# KiCad board dalishen_pi_h7p20.kicad_pcb (continued)
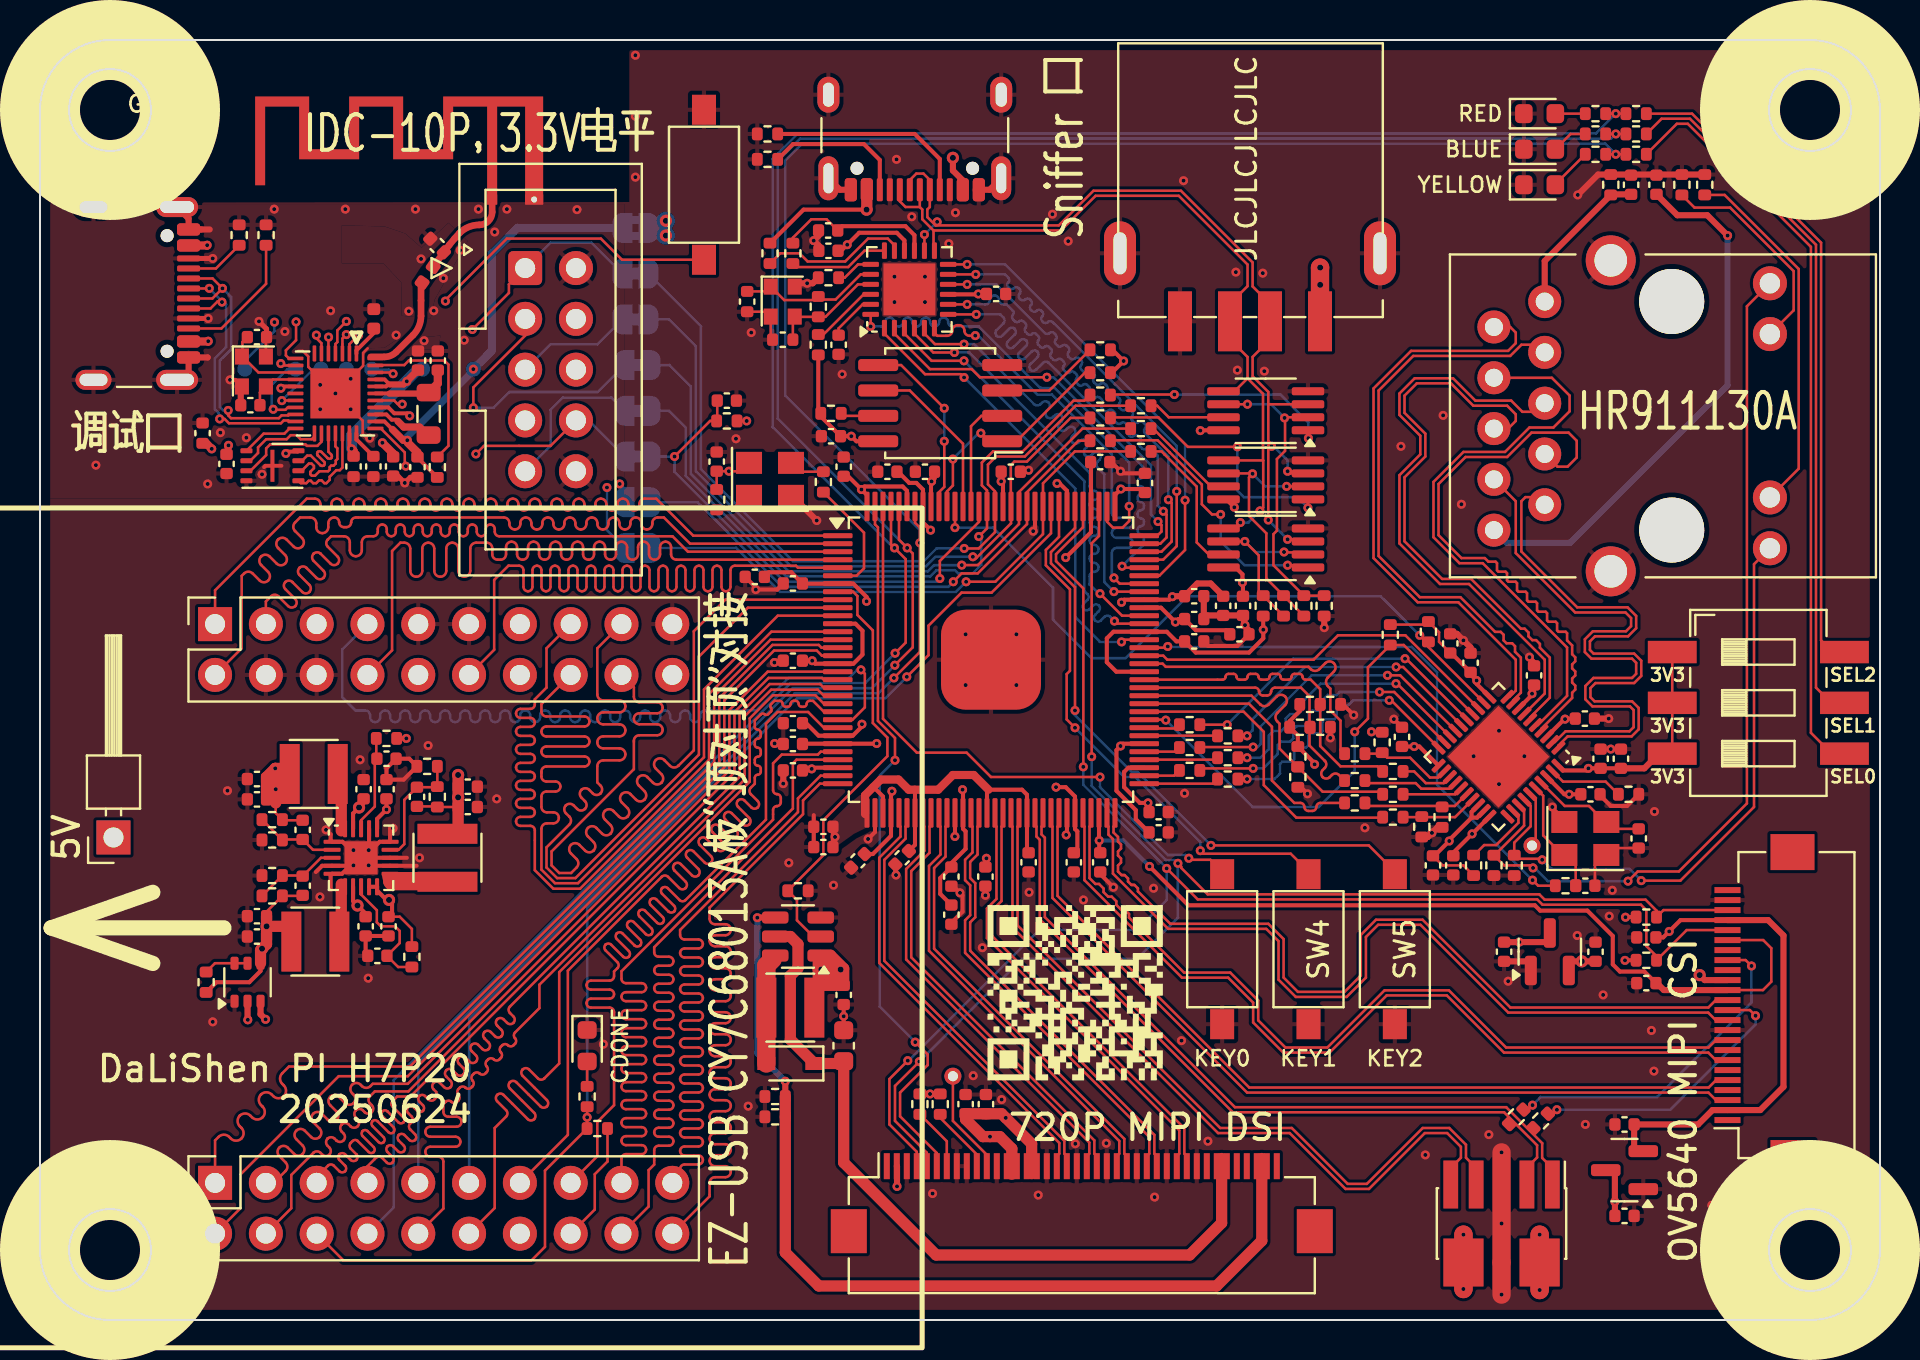
[diagram p0: board, top side]
## Footprints (pads in the part's own frame, mm; a bottom-side part is the same pattern mirrored in y, then rotated) (continued)
  rect 1.7x1.7 hole 1: 1(0,0)
  oval 1.7x1.7 hole 1: 2(-2.54,0) 3(0,-2.54) 4(-2.54,-2.54) 5(0,-5.08) 6(-2.54,-5.08) 7(0,-7.62) 8(-2.54,-7.62) 9(0,-10.16) 10(-2.54,-10.16) 11(0,-12.7) 12(-2.54,-12.7) 13(0,-15.24) 14(-2.54,-15.24) 15(0,-17.78) 16(-2.54,-17.78) 17(0,-20.32) 18(-2.54,-20.32) 19(0,-22.86) 20(-2.54,-22.86)
QFN-20-1EP_3x3mm_P0.4mm_EP1.65x1.65mm
  rrect 0.4x0.4 smd: (-0.41,0.41) (-0.41,-0.41) (0.41,0.41) (0.41,-0.41)
  rrect 0.85x0.2 smd: 1(-1.45,0.8) 2(-1.45,0.4) 3(-1.45,0) 4(-1.45,-0.4) 5(-1.45,-0.8) 11(1.45,-0.8) 12(1.45,-0.4) 13(1.45,0) 14(1.45,0.4) 15(1.45,0.8)
  rrect 0.2x0.85 smd: 6(-0.8,-1.45) 7(-0.4,-1.45) 8(0,-1.45) 9(0.4,-1.45) 10(0.8,-1.45) 16(0.8,1.45) 17(0.4,1.45) 18(0,1.45) 19(-0.4,1.45) 20(-0.8,1.45)
  rect 1.65x1.65 smd: 21(0,0)
QFN-24-1EP_4x4mm_P0.5mm_EP2.6x2.6mm
  rrect 0.7x0.7 smd: (-0.65,0.65) (-0.65,-0.65) (0.65,0.65) (0.65,-0.65)
  rrect 0.825x0.25 smd: 1(-1.938,1.25) 2(-1.938,0.75) 3(-1.938,0.25) 4(-1.938,-0.25) 5(-1.938,-0.75) 6(-1.938,-1.25) 13(1.938,-1.25) 14(1.938,-0.75) 15(1.938,-0.25) 16(1.938,0.25) 17(1.938,0.75) 18(1.938,1.25)
  rrect 0.25x0.825 smd: 7(-1.25,-1.938) 8(-0.75,-1.938) 9(-0.25,-1.938) 10(0.25,-1.938) 11(0.75,-1.938) 12(1.25,-1.938) 19(1.25,1.938) 20(0.75,1.938) 21(0.25,1.938) 22(-0.25,1.938) 23(-0.75,1.938) 24(-1.25,1.938)
  rect 2.6x2.6 smd: 25(0,0)
QFN-36-1EP_4x4mm_P0.35mm_EP2.5x2.5mm
  rrect 0.55x0.55 smd: (-0.5,0.5) (-0.5,-0.5) (0.5,0.5) (0.5,-0.5)
  rrect 0.8x0.18 smd: 1(-2,1.05) 2(-2,0.7) 3(-2,0.35) 4(-2,0) 5(-2,-0.35) 6(-2,-0.7) 7(-2,-1.05) 19(2,-1.05) 20(2,-0.7) 21(2,-0.35) 22(2,0) 23(2,0.35) 24(2,0.7) 25(2,1.05)
  rrect 0.18x0.8 smd: 8(-1.75,-2) 9(-1.4,-2) 10(-1.05,-2) 11(-0.7,-2) 12(-0.35,-2) 13(0,-2) 14(0.35,-2) 15(0.7,-2) 16(1.05,-2) 17(1.4,-2) 18(1.75,-2) 26(1.75,2) 27(1.4,2) 28(1.05,2) 29(0.7,2) 30(0.35,2) 31(0,2) 32(-0.35,2) 33(-0.7,2) 34(-1.05,2) 35(-1.4,2) 36(-1.75,2)
  rect 2.5x2.5 smd: 37(0,0)
QFN-40-1EP_5x5mm_P0.4mm_EP3.6x3.6mm
  rrect 0.97x0.97 smd: (-1,1) (-1,-1) (1,1) (1,-1)
  rrect 0.825x0.25 smd: 1(-2.438,1.8) 2(-2.438,1.4) 3(-2.438,1) 4(-2.438,0.6) 5(-2.438,0.2) 6(-2.438,-0.2) 7(-2.438,-0.6) 8(-2.438,-1) 9(-2.438,-1.4) 10(-2.438,-1.8) 21(2.438,-1.8) 22(2.438,-1.4) 23(2.438,-1) 24(2.438,-0.6) 25(2.438,-0.2) 26(2.438,0.2) 27(2.438,0.6) 28(2.438,1) 29(2.438,1.4) 30(2.438,1.8)
  rrect 0.25x0.825 smd: 11(-1.8,-2.438) 12(-1.4,-2.438) 13(-1,-2.438) 14(-0.6,-2.438) 15(-0.2,-2.438) 16(0.2,-2.438) 17(0.6,-2.438) 18(1,-2.438) 19(1.4,-2.438) 20(1.8,-2.438) 31(1.8,2.438) 32(1.4,2.438) 33(1,2.438) 34(0.6,2.438) 35(0.2,2.438) 36(-0.2,2.438) 37(-0.6,2.438) 38(-1,2.438) 39(-1.4,2.438) 40(-1.8,2.438)
  rect 3.6x3.6 smd: 41(0,0)
R_0402_1005Metric
  rrect 0.54x0.64 smd: 1(-0.51,0) 2(0.51,0)
RJ45_HR911130A
  round 3.25 hole 3.25 unplated: (-5.715,-0.03) (5.715,-0.03)
  round 1.7 hole 1.02: 11(6.625,4.88) 12(4.085,4.88) 13(-4.085,4.88) 14(-6.625,4.88)
  round 1.65 hole 0.9: P1(5.72,-8.92) P2(4.45,-6.38) P3(3.18,-8.92) P4(1.91,-6.38) P5(0.64,-8.92) P6(-0.63,-6.38) P7(-1.9,-8.92) P8(-3.17,-6.38) P9(-4.44,-8.92) P10(-5.71,-6.38)
  round 2.5 hole 1.63: SH(-7.77,-3.08) SH(7.78,-3.08)
SOIC-8_P1.27mm_Common
  rrect 2x0.6 smd: 1(-3.1,1.905) 2(-3.1,0.635) 3(-3.1,-0.635) 4(-3.1,-1.905) 5(3.1,-1.905) 6(3.1,-0.635) 7(3.1,0.635) 8(3.1,1.905)
SolderJumper-2_P1.3mm_Bridged2Bar_RoundedPad1.0x1.5mm
  custom 1x1.5 smd: 1(-0.65,0) 2(0.65,0)
SolderJumper-2_P1.3mm_Bridged_RoundedPad1.0x1.5mm
  custom 1x1.5 smd: 1(-0.65,0) 2(0.65,0)
SolderJumper-2_P1.3mm_Open_RoundedPad1.0x1.5mm
  custom 1x1.5 smd: 1(-0.65,0) 2(0.65,0)
SOT-23
  rrect 1.475x0.6 smd: 1(-0.938,0.95) 2(-0.938,-0.95) 3(0.938,0)
SOT-23-6
  rrect 1.325x0.6 smd: 1(-1.137,0.95) 2(-1.137,0) 3(-1.137,-0.95) 4(1.137,-0.95) 5(1.137,0) 6(1.137,0.95)
SOT-363_SC-70-6
  rrect 0.65x0.4 smd: 1(-0.95,0.65) 2(-0.95,0) 3(-0.95,-0.65) 4(0.95,-0.65) 5(0.95,0) 6(0.95,0.65)
SW-3x6mm_Hxx_SMD
  rect 1.5x1.2 smd: 1(3.75,0) 2(-3.75,0)
SW_DIP_SPSTx03_Slide_6.7x9.18mm_W8.61mm_P2.54mm_LowProfile
  rect 2.44x1.12 smd: 1(-4.305,2.54) 2(-4.305,0) 3(-4.305,-2.54) 4(4.305,-2.54) 5(4.305,0) 6(4.305,2.54)
TestPoint_Pad_D0.75mm
  round 0.75 smd: 1(0,0)
Texas_SWRA117D_2.4GHz_Left
  rect 0.5x0.5 smd: 1(0,0)
  rect 0.9x0.5 hole 0.3: 2(2.1,0)
USB-AF_YIJIAN
  rect 1.2x3 smd: 1(-3.5,0.2) 2(-1,0.2) 3(1,0.2) 4(3.5,0.2)
  oval 1.6x3.2 hole 0.65x2.1: 5(-6.5,-3.2) 5(6.5,-3.2)
USB_C_Receptacle_16P
  round 0.65 hole 0.65 unplated: (-2.89,2.605) (2.89,2.605)
  rrect 0.6x1.15 smd: A1(-3.2,3.68) A4(-2.4,3.68) A9(2.4,3.68) A12(3.2,3.68) B1(3.2,3.68) B4(2.4,3.68) B9(-2.4,3.68) B12(-3.2,3.68)
  rrect 0.3x1.15 smd: A5(-1.25,3.68) A6(-0.25,3.68) A7(0.25,3.68) A8(1.25,3.68) B5(1.75,3.68) B6(0.75,3.68) B7(-0.75,3.68) B8(-1.75,3.68)
  oval 1x2.2 hole 0.5x1.5: S1(-4.32,3.105) S1(4.32,3.105)
  oval 1.1x1.8 hole 0.55x1.2: S1(-4.32,-1.075) S1(4.32,-1.075)
USB_C_Receptacle_GCT_USB4105-xx-A_16P_TopMnt_Horizontal
  round 0.65 hole 0.65 unplated: (-2.89,2.605) (2.89,2.605)
  rrect 0.6x1.15 smd: A1(-3.2,3.68) A4(-2.4,3.68) A9(2.4,3.68) A12(3.2,3.68) B1(3.2,3.68) B4(2.4,3.68) B9(-2.4,3.68) B12(-3.2,3.68)
  rrect 0.3x1.15 smd: A5(-1.25,3.68) A6(-0.25,3.68) A7(0.25,3.68) A8(1.25,3.68) B5(1.75,3.68) B6(0.75,3.68) B7(-0.75,3.68) B8(-1.75,3.68)
  oval 1x2.1 hole 0.6x1.7: S1(-4.32,3.105) S1(4.32,3.105)
  oval 1x1.8 hole 0.6x1.4: S1(-4.32,-1.075) S1(4.32,-1.075)
USON-8-1EP_3x2mm_P0.5mm_EP1.6x02mm
  rrect 0.6x0.25 smd: 1(-1.3,0.75) 2(-1.3,0.25) 3(-1.3,-0.25) 4(-1.3,-0.75) 5(1.3,-0.75) 6(1.3,-0.25) 7(1.3,0.25) 8(1.3,0.75)
  rect 0.2x1.6 smd: 9(0,0)

## Nets
/AVDD_2V8: C72.2 C74.2 J7.2 J7.21 R68.2 R69.2 U5.2
/DVDD_1V5: C76.2 J7.15 U8.2
/VCC_3V3: C2.2 C13.2 C15.2 C16.2 C35.2 C36.2 C37.2 C42.2 C43.2 C55.2 C57.2 C58.2 C59.2 C60.2 C61.2 C62.2 C63.2 C64.2 C65.2 C70.2 C71.2 C73.2 C75.2 J1.8 J1.10 J9.2 J9.13 J9.14 J9.15 J9.16 L5.1 R1.1 R7.1 R21.2 R22.2 R33.1 R40.1 R41.1 R44.1 R48.1 R49.1 R50.1 R51.1 R61.1 R80.1 R81.1 R82.1 R90.1 SW3.1 SW3.2 SW3.3 U1.11 U1.28 U1.29 U1.40 U3.12 U3.17 U3.30 U3.67 U3.79 U3.84 U3.97 U3.103 U3.111 U3.123 U3.128 U5.3 U7.8 U8.3 U9.2 U20.9 U20.16 X1.4
/VCC_5V: C1.2 C31.2 C32.2 C33.2 C34.2 C68.2 J1.2 J1.4 J6.1 JP2.1 L1.1 R35.2 R36.2 U2.8 U4.1 U6.7 U6.9 U6.10 U6.16 U6.19 U18.8 U19.8
/VCCAUX: C19.2 C20.2 C22.2 C23.2 C24.2 C28.1 C29.2 C30.2 L4.1 R5.2 R31.2 U3.27 U3.44 U3.58 U3.87 U3.120 U9.4
/VDD_CORE: C4.2 C5.2 C6.2 C7.2 C8.2 C9.2 C10.2 C11.2 C17.2 C18.2 C25.1 C26.2 C27.2 C38.2 C41.2 L3.2 R29.2 U3.7 U3.26 U3.36 U3.45 U3.59 U3.70 U3.88 U3.100 U3.121
/VDDIO_1V8: C21.2 C44.2 C45.2 C54.2 C56.2 C77.2 J7.14 J7.19 U3.33 U3.35 U3.39 U3.48 U3.53 U3.62 U9.3
/vllinkmodule/3.3V: C1005.1 C1012.1 TP1002.1 U1001.24 U1001.32 U1001.33
/vllinkmodule/5V: C1010.1 C1011.1 J1001.A4 J1001.A9 J1001.B4 J1001.B9 JP2.2 R1003.2 TP1003.1 U1001.27
GND: 2x5_2.54.1001.2 2x5_2.54.1001.10 AE1001.2 C1.1 C2.1 C4.1 C5.1 C6.1 C7.1 C8.1 C9.1 C10.1 C11.1 C12.1 C13.1 C14.1 C15.1 C16.1 C17.1 C18.1 C19.1 C20.1 C21.1 C22.1 C23.1 C24.1 C26.1 C27.1 C29.1 C30.1 C31.1 C32.1 C33.1 C34.1 C36.1 C37.1 C38.1 C39.1 C40.1 C41.1 C42.1 C43.1 C44.1 C45.1 C46.1 C47.1 C48.1 C49.1 C50.1 C51.1 C52.1 C53.1 C54.1 C55.1 C56.1 C57.1 C58.1 C59.1 C60.1 C61.1 C62.1 C63.1 C64.1 C65.1 C66.1 C67.1 C68.1 C69.1 C70.1 C71.1 C72.1 C73.1 C74.1 C75.1 C76.1 C77.1 C78.1 C79.1 C1002.2 C1003.1 C1005.2 C1006.1 C1007.1 C1008.2 C1009.2 C1010.2 C1011.2 C1012.2 C1013.2 CY_J1.4 CY_J1.6 CY_J1.9 CY_J1.11 CY_J1.19 D1.1 D2.1 D3.1 D4.1 J1.5 J1.6 J2.A1 J2.A8 J2.A12 J2.B1 J2.B8 J2.B12 J2.S1 J3.4 J3.5 J7.10 J7.23 J9.3 J9.8 J9.9 J9.12 J9.17 J9.20 J9.23 J9.26 J9.29 J9.32 J10.SH J1001.A1 J1001.A8 J1001.A12 J1001.B1 J1001.B8 J1001.B12 J1001.S1 L1001.1 R10.2 R30.1 R32.1 R34.2 R38.2 R39.2 R42.2 R43.2 R45.2 R46.2 R47.2 R52.2 R53.2 R54.2 R62.2 R63.2 R64.2 R65.2 R76.2 R77.2 R89.2 R1001.1 R1002.1 SW1.2 SW2.1 SW4.2 SW5.2 TP1001.1 U1.41 U2.4 U3.34 U3.107 U3.129 U4.3 U5.1 U6.1 U6.4 U6.5 U6.12 U6.13 U6.15 U6.17 U6.21 U7.4 U8.1 U9.1 U18.4 U19.4 U20.25 U1001.37 U1002.4 U1002.9 X1.2 Y1.2 Y1.4 Y2.2 Y2.4 Y1001.2 Y1001.4
/B1_IO_MSEL0_122: CY_J2.11 R20.2 R55.2 U3.122
/B1_IO_MSEL1_124: CY_J2.9 R18.2 R56.2 U3.124
/B1_IO_MSEL2_125: CY_J2.8 R15.2 R57.2 U3.125
/B2_IO_CDONE_105: CY_J2.6 R16.2 R19.2 U3.105
/B9_IO2N: J1.9 U3.51
/B9_IO2P: J1.7 U3.52
/B9_IO4N: J1.3 R9.2 U3.54
/B9_IO4P: J1.1 R11.2 U3.55
/B9_IO6N: J7.3 U3.56
/B9_IO6P: J7.5 U3.57
/B9_IO9N: J7.7 U3.60
/B9_IO9P: J7.9 U3.61
/B9_IO12N: J7.11 U3.63
/B9_IO12P: J7.13 U3.64
/B10_IO2N: J9.18 U3.37
/B10_IO2P: J9.19 U3.38
/B10_IO4N: J9.21 U3.40
/B10_IO4P: J9.22 U3.41
/B10_IO6N: J9.24 U3.42
/B10_IO6P: J9.25 U3.43
/B10_IO9N: J9.27 U3.46
/B10_IO9P: J9.28 U3.47
/B10_IO12N: J9.30 U3.49
/B10_IO12P: J9.31 U3.50
/CRST_N: C46.2 JP9.1 R61.2 U3.114
/CY_FD_0: CY_J1.15 U3.13
/CY_FD_1: CY_J1.16 U3.11
/CY_FD_2: CY_J1.17 U3.10
/CY_FD_3: CY_J1.18 U3.9
/CY_FD_4: CY_J2.20 U3.32
/CY_FD_5: CY_J2.19 U3.31
/CY_FD_6: CY_J2.18 U3.29
/CY_FD_7: CY_J2.17 U3.28
/CY_FD_8: CY_J2.5 U3.19
/CY_FD_9: CY_J2.4 U3.18
/CY_FD_10: CY_J2.3 U3.16
/CY_FD_11: CY_J2.2 U3.15
/CY_FD_12: CY_J2.1 U3.14
/CY_FD_13: CY_J1.1 U3.1
/CY_FD_14: CY_J1.2 U3.2
/CY_FD_15: CY_J1.3 U3.3
/CY_FLAGA: CY_J2.16 R16.1
/CY_FLAGB: CY_J2.15 U3.25
/CY_FLAGC: CY_J2.14
/CY_IFCLK: CY_J1.12 U3.5
/CY_PA0: CY_J2.13 U3.23
/CY_PA1: CY_J2.12 U3.22
/CY_PA3: CY_J2.10 U3.21
/CY_PKTEND: CY_J2.7 U3.20
/CY_SLRD: CY_J1.7 U3.24
/CY_SLWR: CY_J1.8 U3.4
/ET3036C_CJ3439KDW/EA3036_EN2: C40.2 R35.1 U6.8
/ET3036C_CJ3439KDW/EA3036_EN3: C39.2 R36.1 U6.18
/FPGA_ETHA_25M: R6.1 U3.82
/FPGA_ETHA_MDC: U1.13 U3.81
/FPGA_ETHA_MDIO: R44.2 U1.14 U3.73
/FPGA_ETHA_RST_B: R41.2 U1.12 U3.117
/FPGA_ETHA_RXCK: R70.1 U3.74
/FPGA_ETHA_RXCTL: R71.1 U3.75
/FPGA_ETHA_RXD0: R49.2 R52.1 R72.1 U3.76
/FPGA_ETHA_RXD1: R50.2 R53.1 R73.1 U3.77
/FPGA_ETHA_RXD2: R51.2 R54.1 R74.1 U3.78
/FPGA_ETHA_RXD3: R75.1 U3.80
/FPGA_ETHA_TXCK: R83.1 U3.65
/FPGA_ETHA_TXCTL: R84.1 U3.66
/FPGA_ETHA_TXD0: R85.1 U3.68
/FPGA_ETHA_TXD1: R86.1 U3.69
/FPGA_ETHA_TXD2: R87.1 U3.71
/FPGA_ETHA_TXD3: R91.1 U3.72
/FPGA_FLASH_CLK: U3.116 U7.6
/FPGA_FLASH_CS: R80.2 U3.118 U7.1
/FPGA_FLASH_MISO: U3.115 U7.2
/FPGA_FLASH_MOSI: U3.119 U7.5
/FPGA_RX: JP1.1 R24.2 U3.108
/FPGA_TCK: JP5.1 R27.2 U3.112
/FPGA_TDI: JP3.1 R28.2 U3.113
/FPGA_TDO: JP6.1 R25.2 U3.109
/FPGA_TMS: JP4.1 R26.2 U3.110
/FPGA_TX: JP10.1 R23.2 U3.106
/KEY0: SW1.1 U3.126
/KEY1: SW4.1 U3.104
/KEY2: SW5.1 U3.102
/LED_PWM: R63.1 U3.8 U4.2
/LEDA: C69.2 D8.1 J9.34 J9.35 U4.5
/LEDK: J9.38 J9.39 R64.1 R65.1 U4.4
/OV/TP_SCL: J7.20 J9.4 R68.1 U3.101
/OV/TP_SDA: J7.22 J9.5 R69.1 U3.99
/OV_MCLK: J7.12 R11.1
/OV_PWDN: J7.17 R9.1
/TP_INT: J9.6 U3.127
/USB20_DM_CMP1: R28.1 U2.1
/USB20_DM_CMP2: R26.1 U18.1
/USB20_DM_CMP3: R24.1 U19.1
/USB20_DP_CMP1: R27.1 U2.7
/USB20_DP_CMP2: R25.1 U18.7
/USB20_DP_CMP3: R23.1 U19.7
/USB334x/CMP_REF_1: R3.2 R10.1 U2.2 U2.6
/USB334x/CMP_REF_2: R2.2 R3.1 U18.2 U18.6
/USB334x/CMP_REF_3: R1.2 R2.1 U19.2 U19.6
/USB334x/T_VBUS: J2.A4 J2.A9 J2.B4 J2.B9 J3.1 R79.1
/USB334x/USB20_D_N: J2.A7 J2.B7 J3.2 U2.3 U18.3 U19.3 U20.14
/USB334x/USB20_D_P: J2.A6 J2.B6 J3.3 U2.5 U18.5 U19.5 U20.13
/USB334x_CLK: U3.92 U20.2
/USB334x_D0: U3.86 U20.4
/USB334x_D1: U3.89 U20.5
/USB334x_D2: U3.90 U20.6
/USB334x_D3: U3.96 U20.7
/USB334x_D4: U3.95 U20.8
/USB334x_D5: U3.94 U20.10
/USB334x_D6: U3.93 U20.11
/USB334x_D7: U3.91 U20.12
/USB334x_DIR: U3.83 U20.1
/USB334x_NXT: U3.85 U20.3
/USB334x_STP: U3.98 U20.24
/vllinkmodule/FLS_CLK: U1001.22 U1002.6
/vllinkmodule/FLS_CS: U1001.18 U1002.1
/vllinkmodule/FLS_IO0: U1001.23 U1002.5
/vllinkmodule/FLS_IO1: U1001.19 U1002.2
/vllinkmodule/FLS_IO2: U1001.20 U1002.3
/vllinkmodule/FLS_IO3: U1001.21 U1002.7
/vllinkmodule/GPIOA0: 2x5_2.54.1001.1 JP5.2 U1001.3
/vllinkmodule/GPIOA1: 2x5_2.54.1001.5 JP4.2 U1001.4
/vllinkmodule/GPIOA2: 2x5_2.54.1001.3 JP6.2 U1001.5
/vllinkmodule/GPIOA3: 2x5_2.54.1001.9 JP3.2 U1001.6
/vllinkmodule/GPIOA4: U1001.7
/vllinkmodule/GPIOA5: SW2.2 U1001.8
/vllinkmodule/GPIOA6: JP10.2 U1001.9
/vllinkmodule/GPIOA7: JP1.2 U1001.2
/vllinkmodule/GPIOA8: TP1004.1 U1001.30
/vllinkmodule/GPIOA9: TP1005.1 U1001.34
/vllinkmodule/GPIOB0: TP1006.1 U1001.14
/vllinkmodule/GPIOB1: TP1007.1 U1001.15
/vllinkmodule/GPIOB2: 2x5_2.54.1001.8 JP9.2 U1001.26
/vllinkmodule/GPIOB3: U1001.13
/vllinkmodule/POWER_KEY: R1003.1 U1001.35
/vllinkmodule/USB_D+: J1001.A6 J1001.B6 U1001.17
/vllinkmodule/USB_D-: J1001.A7 J1001.B7 U1001.16
/vllinkmodule/V_FLS: C1008.1 U1001.29 U1002.8
/YT8531C/ETHA_1V1: C47.2 C48.2 C51.2 C52.2 C53.2 U1.3 U1.8 U1.21 U1.30 U1.38
/YT8531C/ETHA_LED1: J10.14 R42.1 U1.33
/YT8531C/ETHA_LED2: J10.11 R43.1 U1.34
/YT8531C/ETHA_TD0N: J10.P3 U1.2
/YT8531C/ETHA_TD0P: J10.P2 U1.1
/YT8531C/ETHA_TD1N: J10.P7 U1.5
/YT8531C/ETHA_TD1P: J10.P4 U1.4
/YT8531C/ETHA_TD2N: J10.P6 U1.7
/YT8531C/ETHA_TD2P: J10.P5 U1.6
/YT8531C/ETHA_TD3N: J10.P9 U1.10
/YT8531C/ETHA_TD3P: J10.P8 U1.9
/YT8531C/FPGA_ETHA_CLKOUT: TP2.1 U1.35
Net-(AE1001-A): AE1001.1 C1002.1 L1003.1
Net-(D1-A): D1.2 R15.1
Net-(D2-A): D2.2 R18.1
Net-(D3-A): D3.2 R19.1
Net-(D4-A): D4.2 R20.1
Net-(D8-A): D8.2 L1.2 U4.6
Net-(J2-CC1): J2.A5 R77.1
Net-(J2-CC2): J2.B5 R76.1
Net-(J9-Pin_7): J9.7 R22.1
Net-(J9-Pin_10): J9.10 R21.1
Net-(J9-Pin_11): J9.11 TP1.1
Net-(J10-CT): C66.2 J10.P1
Net-(J10-GND): C67.2 J10.P10 R62.1
Net-(J10-Pad12): J10.12 R39.1
Net-(J10-Pad13): J10.13 R38.1
Net-(J1001-CC1): J1001.A5 R1001.2
Net-(J1001-CC2): J1001.B5 R1002.2
Net-(R55-Pad1): R55.1 SW3.4
Net-(R56-Pad1): R56.1 SW3.5
Net-(R57-Pad1): R57.1 SW3.6
Net-(U1-LED0/CFG_EXT): R40.2 U1.32
Net-(U1-RBIAS): R45.1 U1.39
Net-(U1-RX_CLK/PHYAD1): R46.1 R70.2 U1.27
Net-(U1-RX_CTL/PHYAD2): R47.1 R71.2 U1.26
Net-(U1-RXD0/RXDLY): R72.2 U1.25
Net-(U1-RXD1/TXDLY): R73.2 U1.24
Net-(U1-RXD2/PLLIFF): R74.2 U1.23
Net-(U1-RXD3/PHYAD0): R48.2 R75.2 U1.22
Net-(U1-TX_CLK): R83.2 U1.20
Net-(U1-TX_CTL): R84.2 U1.19
Net-(U1-TXD0): R85.2 U1.18
Net-(U1-TXD1): R86.2 U1.17
Net-(U1-TXD2): R87.2 U1.16
Net-(U1-TXD3): R91.2 U1.15
Net-(U1-XTAL_I): C78.2 R6.2 U1.36 Y2.1
Net-(U1-XTAL_O): C79.2 U1.37 Y2.3
Net-(U3-IO13_PCLK_8): R8.1 U3.6
Net-(U6-FB1): C25.2 R29.1 R30.2 U6.14
Net-(U6-FB2): C28.2 R31.1 R32.2 U6.3
Net-(U6-FB3): C35.1 R33.2 R34.1 U6.2
Net-(U6-LX1): L3.1 U6.11
Net-(U6-LX2): L4.2 U6.6
Net-(U6-LX3): L5.2 U6.20
Net-(U7-IO2): R81.2 U7.3
Net-(U7-IO3): R82.2 U7.7
Net-(U9-D1): R5.1 U9.5 U9.6
Net-(U20-ID): R4.2 U20.18
Net-(U20-RBIAS): R89.1 U20.19
Net-(U20-REFCLK/XI): C14.2 R78.2 U20.21 Y1.3
Net-(U20-VBUS): R79.2 U20.17
Net-(U20-VDD18): C49.2 U20.23
Net-(U20-VDD33): C50.2 R4.1 U20.15
Net-(U20-XO): C12.2 R78.1 U20.20 Y1.1
Net-(U20-~{RESETB}): R90.2 U20.22
Net-(U1001-AVDD18): C1007.2 U1001.12
Net-(U1001-RF_ANT): L1003.2 U1001.36
Net-(U1001-RF_IND): L1001.2 U1001.1
Net-(U1001-SW): L1004.1 U1001.28
Net-(U1001-V_CORE): C1013.1 U1001.25
Net-(U1001-V_RF): C1009.1 L1004.2 U1001.31
Net-(U1001-XTAL1): C1003.2 U1001.10 Y1001.1
Net-(U1001-XTAL2): C1006.2 U1001.11 Y1001.3
Net-(X1-EN): R7.2 X1.1
Net-(X1-OUT): R8.2 X1.3

Pads without a net: 2x5_2.54.1001 4 6 7; CY_J1 5 10 13 14 20; J7 1 4 6 8 16 18 24 MP; J9 1 33 36 37 40 MP; U1 31

## Via types
v1: diameter 0.452, hole 0.203, Top to Bottom, 355 vias
v2: diameter 0.61, hole 0.305, Top to Bottom, 17 vias

## Routing (per net, layer and track width the routed paths; a pad name or vN(x,y) marks a point on that pad's centre or on a via; arc(x,y) is an arc through that point)
/AVDD_2V8: length 30
  Top w0.203: R68.2 79.26,17.99 v1(79.25,17.98) ; v1(79.27,20.14) 79.28,20.15 R69.2 ; C74.2 81.16,19.13 v1(81.46,19.43) 82.03,20 J7.21
  Top w0.305: U5.2 79.72,8.44 79.71,8.46 C72.2 82.91,9.78 83.63,10.5 J7.2 86.01,10.5 87.17,11.66 87.17,19.23 86.4,20 J7.21
  In2.Cu w0.406: 79.99,19.43 v1(79.27,20.14) ; 79.99,19.43 v1(81.46,19.43) ; 79.99,19.43 79.25,18.69 v1(79.25,17.98)
/DVDD_1V5: length 9.4
  Top w0.305: U8.2 76.44,17.84 76.53,17.93 77.78,17.93 ; v2(82.98,17.25) 83.23,17 J7.15
  In2.Cu w0.406: v2(77.09,17.93) 77.78,17.25 v2(82.98,17.25)
/VCC_3V3: length 122.5
  Top w0.127: X1.4 35.03,42.44 v1(34.44,42.44) 34.44,42.45 C2.2 R7.1 ; C62.2 v1(48.06,41.94) ; R44.1 69.27,34.77 R41.1 69.95,34.39 69.95,33.91 C58.2 ; C35.2 12.15,24.99 R33.1 11.79,25.35 11.79,25.86 11.61,26.03 C36.2 ; SW3.3 SW3.2 SW3.1 ; R61.1 v1(35.33,44.96) ; 69.65,23.21 70.13,22.73 71.17,22.73 R40.1
  Top w0.203: U3.103 51.35,41.46 50.98,41.83 v1(50.85,41.83) ; C63.2 40.41,42.19 v1(41.07,41.53) ; R81.1 53.62,48.51 v1(54.18,47.96) 53.6,47.37 R80.1 ; C13.2 40.06,53.47 v1(40.36,53.77) 40.96,54.37 42.84,54.37 43.22,53.99 U20.16 ; C61.2 55.07,41.55 v1(54.04,41.55) 53.75,41.26 U3.97 ; v1(41.07,41.53) 41.23,41.68 43.13,41.68 43.35,41.46 U3.123 ; v1(41.07,41.53) 41.35,41.25 U3.128 ; U1.28 71.58,25.41 71.58,25.12 ; 69.67,23.21 69.65,23.21 69.72,23.21 v1(70.46,23.95) 70.46,24 71.58,25.12 ; v1(48.06,41.94) 48.13,41.94 48.15,41.92 U3.111 ; R51.1 62.99,30.45 62.48,29.94 R50.1 62.89,29.23 R49.1 63.73,27.84 v1(63.73,27.79) ; U1.40 76.16,27.48 77.32,27.48 v1(77.42,27.58) 77.42,27.59 C60.2 C57.2 ; U1.29 71.86,25.12 71.58,25.12 ; R48.1 66.6,29.39 v1(66.57,29.41) ; 70.51,33.3 70.61,33.3 C59.2 71.53,32.28 v1(71.83,31.98) 71.83,31.81 U1.11 ; C65.2 v1(38.61,32.97) 38.76,32.82 U3.17 40.67,32.82 41.12,33.27 41.12,34.47 40.77,34.82 U3.12 ; U7.8 40.82,43.94 v1(40.56,44.2) C16.2 39.04,45.19 R82.1 38.91,45.46 R90.1 ; U3.67 54.42,27.62 54.2,27.41 54.2,26.65 54.99,25.86 v1(55.4,25.86) 55.45,25.8 C64.2 ; R1.1 61.16,34.52 v1(61.16,34.52) 61.16,34.09 60.45,33.38 57.79,33.38 C42.2 56.82,33.93 56.34,34.42 55.22,34.42 U3.84 53.67,34.42 53.34,34.09 53.34,32.89 53.81,32.42 U3.79 ; U20.9 46.89,51.29 v1(46.91,51.31) C15.2 ; U3.30 38.64,27.62 v1(38.58,27.56) 38.51,27.48 C43.2
  Top w0.305: R21.2 44.5,11.3 v1(44.5,11.3) 44.5,11.3 R22.2 ; SW3.3 80.95,28.32 80.22,27.59 C57.2 ; U9.2 10.38,15.02 v1(10.39,15.01) ; U5.3 78.64,7.49 78.74,7.39 v1(78.74,5.92) 78.75,5.92 C73.2 ; v1(42.85,6.68) 42.85,7.68 J9.2 ; C75.2 73.96,18.89 v1(73.97,18.9) 75.44,18.9 75.49,18.95 U8.3
  Top w0.559: 11.33,26.54 v1(11.79,26.54) 12.5,26.54 12.49,26.56 L5.1 12.21,27.58 v1(11.76,27.58) ; 11.33,26.54 C36.2 ; 11.33,26.54 C37.2 11.33,27.15 v1(11.76,27.58) ; v1(11.76,27.58) 11.79,27.56 11.79,25.86 ; 48.59,7.29 48.59,8.57 47.99,9.17 v1(47.5,9.17) 47.14,9.17 46.28,10.03 C71.2 C70.2 48.08,10.31 v1(48.29,10.11) 49.58,8.81 49.58,7.32
  Top w0.914: 71.17,2.03 v1(71.17,1.55) v1(71.17,4.27) 71.17,3.71
  In2.Cu w0.406: 64.95,27.79 v1(63.73,27.79) ; 64.95,27.79 64.95,24.08 ; 64.95,27.79 v1(66.57,29.41)
  In2.Cu w0.559: v1(61.16,34.52) 61.16,35.59 ; v1(71.83,31.98) 72.57,32.72
/VCC_5V: length 235.1
  Top w0.127: R35.2 18.59,19.56 17.99,20.16 17.6,20.16
  Top w0.203: U19.8 59.78,37.63 60.12,37.29 v1(60.12,36.88) 60.15,36.86 C1.2 ; C34.2 v1(17.32,25.53) 16.85,25.06 U6.16 ; 16.28,20.16 16.28,20.32 v2(15.88,20.73) 15.65,20.95 U6.7 ; v1(59.72,40.64) 59.32,41.04 U18.8 ; 16.18,25.96 C33.2 16.18,25.86 v2(15.95,25.63) 15.65,25.33 U6.19 ; U6.9 U6.10 16.85,21.48 17.32,21.01 v2(17.45,21.01) 17.6,20.85 17.6,20.16 ; R36.2 v1(18.31,29.08) ; v1(58.01,44.48) 58.03,44.49 59.17,44.49
  Top w0.559: 38.79,16.64 38.89,16.74 C68.2 40.18,17.58 39.53,18.23 39.04,18.23 38.91,18.11 38.91,17.58 38.94,17.55 38.91,17.53 38.91,15.82 L1.1 ; 39.05,17.98 39.9,17.12 ; 38.94,17.67 39.8,16.82
  Top w0.914: 74.98,3.71 v1(74.98,4.27) v1(74.98,1.5) 74.98,2.06
  In2.Cu w0.203: 46.94,17.53 47.58,17.53 54.38,24.33 54.38,26.14 57.81,29.57 57.81,34.57 v1(60.12,36.88) 58.01,38.99 58.01,41.07 ; v1(59.72,40.64) 59.28,41.07 58.01,41.07 ; 58.01,41.07 v1(58.01,44.48)
  In2.Cu w0.406: v1(17.32,25.53) 18.31,26.52 v1(18.31,29.08)
  In2.Cu w0.914: J6.1 3.67,16.19 7.47,12.4 29.9,12.4 35.03,17.53 v2(40.03,17.53) 46.94,17.53 57.68,6.78 73.18,6.78 74.98,4.98 v1(74.98,1.5) ; J6.1 3.67,34.43 8.71,39.47 29.57,39.47 30.46,40.36 30.46,53.39 v2(31.29,54.23) v2(31.29,54.97) ; J6.1 12.47,24.13 ; 12.47,24.13 13.87,25.53 v1(17.32,25.53) ; 12.47,24.13 15.72,20.88 17.32,20.88
  Bottom w0.914: v2(31.29,54.97) 30.94,54.61 JP2.1 30.91,54.61 v2(31.29,54.23)
  vias: v2(39.07,17.53)
/VCCAUX: length 110.7
  Top w0.127: C28.1 13.11,21.21 R31.2 11.33,20.42
  Top w0.203: C22.2 47.27,23.04 v1(47.32,23.09) ; v1(51.31,24.26) 51.35,24.3 U3.58 ; C23.2 38.14,28.82 U3.27 41.83,28.82 v1(41.84,28.83) ; U3.120 44.55,41.91 v1(44.58,41.94) 44.73,42.09 C20.2 ; U3.87 56.05,35.62 v1(56.77,34.9) 56.92,35.05 C19.2 57.79,34.49 59.29,34.49 C24.2 ; C30.2 11.33,19.59 11.3,19.61 ; U3.44 45.75,24.18 v1(45.75,24.18) ; R5.2 8.82,16.89 10.47,16.89 11.03,17.45 U9.4
  Top w0.559: C29.2 11.33,18.79 v2(11.1,18.57) 11.03,18.49 U9.4 ; 12.37,19.68 12.57,19.49 L4.1 ; v2(11.33,19.68) 12.55,19.68
  In2.Cu w0.406: v1(44.58,41.94) 45.7,40.82 53.21,40.82 57.33,36.7 57.33,34.37 57.25,34.29
  In2.Cu w0.559: 51.44,24.1 51.44,24.13 v1(51.31,24.26) ; 51.44,24.1 57.25,29.92 57.25,34.29 ; 51.44,24.1 50.42,23.09 v1(47.32,23.09) 46.84,23.09 v1(45.75,24.18) 45.75,25.43 43.97,27.2 43.97,27.99 43.13,28.83 v1(41.84,28.83) ; 57.25,34.29 57.25,34.87 57.23,34.9 v1(56.77,34.9) 57.25,34.42 57.25,34.29
  In2.Cu w0.914: v1(45.75,24.18) 42.75,24.18 41.73,25.2 35.33,25.2 33,22.86 25.48,22.86 21.64,19.02 11.56,19.02 v2(11.1,18.57) ; v2(11.1,18.57) 11.61,18.57 12.07,19.02 11.41,19.68 v2(11.33,19.68) 11.1,19.46 v2(11.1,18.57)
/VDD_CORE: length 76.7
  Top w0.127: C27.2 20.91,25.65 R29.2 19.83,25.68 C25.1
  Top w0.203: v1(41.1,29.79) 41.1,29.68 40.64,29.22 U3.26 38.93,29.22 38.3,29.84 C9.2 ; v1(56.62,36.17) 56.47,36.02 U3.88 54.21,36.02 v1(54.08,35.89) ; C41.2 45.01,21.31 45.01,22.1 C10.2 45.57,22.85 46.28,23.56 46.28,24.43 46.15,24.56 U3.45 46.15,26.5 v1(46.13,26.52) ; v1(44.53,39.5) 44.53,39.5 44.15,39.88 U3.121 44.15,41.53 43.82,41.86 43.46,41.86 42.9,42.42 C18.2 ; 38.24,36.95 C6.2 37.57,37.39 36.45,37.39 C4.2 ; v1(50.8,26.64) 51.28,26.64 51.75,26.18 U3.59 51.75,24.55 51.87,24.43 51.87,23.54 C8.2 ; v1(42.6,26.44) 42.55,26.39 U3.36 42.55,24.21 41.64,23.3 C5.2 ; v1(51.28,38.13) 52.55,39.39 U3.100 52.55,42.88 C11.2 ; 38.24,36.82 U3.7 40.67,36.82 41.33,36.16 v1(41.33,35.94) ; C7.2 54.79,25.05 54.79,25.5 53.82,26.46 53.82,28.5 v1(54.03,28.7) 54.15,28.82 U3.70
  Top w0.305: C38.2 59.16,36.21 58.53,36.83 57.87,36.83 C17.2 56.64,36.19 v1(56.62,36.17)
  Top w0.559: L3.2 20.81,24.31 20.91,24.41 v2(20.91,27.25)
  In2.Cu w0.559: v1(56.62,36.17) 54.69,36.17
  In2.Cu w0.914: 22.02,27.25 24.56,29.79 v1(41.1,29.79) ; 22.02,27.25 v2(20.91,26.14) v2(20.91,27.25) 22.02,27.25
/VDDIO_1V8: length 112.6
  Top w0.127: J7.19 86.16,19 86.56,18.59 86.56,16.92 86.15,16.5 J7.14
  Top w0.203: C56.2 52.96,23.42 v1(52.96,23.98) 52.95,23.99 U3.62 ; C54.2 43.75,23.76 U3.39 43.75,26.51 43.74,26.52 ; U3.35 42.15,26.18 41.68,26.64 41.66,26.64 ; C45.2 39.65,24.26 v1(39.75,24.16) 39.65,24.05 C44.2 ; C21.2 49.35,23.44 U3.53 49.35,26.27 49.1,26.52 47.42,26.52 47.35,26.44 U3.48 ; C77.2 80.22,17.42 79,17.42 78.64,17.78 78.64,19.2 77.37,20.47 75.01,20.47 74.74,20.74 57.42,20.74 v1(55.47,22.68)
  Top w0.305: C77.2 80.84,16.85 81.18,16.51 ; U9.3 11.03,15.29 v1(11.28,15.04) ; J7.14 81.19,16.5
  Top w0.406: 41.25,25.3 41.25,26.24 42.04,27.03 42.93,27.03 43.44,26.52 44.91,26.52 45.65,27.25 46.69,27.25 47.42,26.52
  In2.Cu w0.559: v1(11.28,15.04) 27.92,15.04 37.04,24.16 v1(39.75,24.16) 42.5,21.41 43.59,21.41 44.35,22.17 51.16,22.17 v1(52.96,23.98)
  Bottom w0.203: v1(52.96,23.98) 54.18,23.98 v1(55.47,22.68)
/vllinkmodule/3.3V: length 10
  Top w0.191: 15.54,43.62 15.52,43.62 15.47,43.68 U1001.24 ; U1001.33 17.23,47.03 17.48,46.78 17.4,46.78 17.3,46.68 U1001.32
  Top w0.305: v1(18.34,46.94) 18.18,46.78 17.48,46.78
  Top w0.356: v1(18.34,46.94) 18.34,46.94 C1005.1
  Top w0.406: v1(15.58,43.57) 15.68,43.47 C1012.1
  Bottom w0.305: 19.13,47.7 TP1002.1
  Bottom w0.559: v1(15.58,43.57) 15.58,44.21 18.91,47.55
/vllinkmodule/5V: length 53.4
  Top w0.191: R1003.2 18.87,43.13 C1010.1 ; U1001.27 17.22,44.93 17.62,44.54
  Top w0.356: 17.62,44.54 18.16,43.99 18.39,43.99
  Top w0.406: 8.26,43.81 8.33,43.81 v1(8.59,43.56) ; J1001.A4 8.34,53.73 v1(8.36,53.75) ; 18.87,43.15 18.87,43.38 18.39,43.87 ; J1001.A9 8.4,48.93 v1(8.41,48.95)
  In2.Cu w0.559: 6.26,51.09 4.55,49.38 4.55,46.43 7.42,43.56 v1(8.59,43.56) 9.09,43.05 11.48,43.05 12.22,42.32 16.54,42.32 18.21,43.99 18.39,43.99 ; 6.26,51.09 6.26,52.36 7.65,53.75 v1(8.36,53.75) ; 6.26,51.09 v1(8.41,48.95)
  Bottom w0.356: v1(21.67,47.55) 21.67,47.47 18.39,44.2 18.39,43.99
  Bottom w0.406: v1(21.67,47.55) 22.59,48.48 22.59,53.33 23.88,54.61 JP2.2
  vias: v1(18.37,43.99)
GND: length 107.2
  Top w0.127: v1(75.62,25.65) 76.22,25.05 76.22,24.95 ; 15.78,47.34 16.16,47.72 16.16,48.36 16.38,48.59 ; C78.1 77.75,22.73 78.32,23.3 ; C79.1 78.66,23.6 Y2.2 ; 15.6,45.5 16.13,44.97 16.13,44.31 16.34,44.1 ; Y1001.4 11.29,49.12 C1003.1 ; C14.1 36.54,49.11 Y1.2 36.29,50.42 35.36,50.42 ; 14.01,47.07 13.41,47.66 13.41,48.18 13.13,48.46 12.9,48.46
  Top w0.191: v1(9.5,47.02) 9.76,47.02 Y1001.2 ; 11.2,42.65 11.27,42.72 U1002.9 12.07,42.72
  Top w0.203: C65.1 36.81,32.97 v1(36.72,32.88) ; 13.79,22.4 14.1,22.71 U6.4 15.65,22.71 v1(15.67,22.73) ; 18.34,23.11 U6.13 16.82,23.11 v1(16.44,23.49) 16.45,23.51 U6.17 ; v1(63.37,26.31) 63.05,26.64 R52.2 ; U6.21 15.93,23.11 15.13,23.91 U6.1 14.53,23.99 14.53,24.28 v1(14.3,24.51) ; U6.21 16.18,23.11 16.98,23.91 U6.15 17.5,24.56 17.53,24.59 v1(17.65,24.59) 17.65,24.71 17.58,24.64 ; U6.21 15.9,23.11 15.1,22.31 U6.5 14.53,22.24 14.53,21.54 ; v1(53.67,21.64) 53.01,22.3 C56.1 ; C31.1 C32.1 16.28,18.32 C40.1 ; C68.1 v1(40.18,15.19) C69.1 ; C22.1 v1(47.27,21.23) ; R54.2 65.15,30.78 v1(65.69,30.25) ; v1(41.4,24.05) 41.75,24.4 U3.34 ; 53.49,42.9 53.57,42.9 v1(54.03,42.44) 54.13,42.34 C61.1 ; 18.83,22.71 U6.12 16.45,22.71 v1(16.44,22.73) ; 38.69,25.24 C44.1 ; C4.1 35.83,36.59 v1(35.79,36.53) 36.86,36.53 C6.1 ; v1(64.52,29.11) 64.52,29.11 R53.2 ; C41.1 45.57,19.86 46.13,20.42 46.13,21.23 v1(46,21.36) 45.67,21.69 C10.1 ; C48.1 78,26.24 78.54,25.7 79.35,25.7 R45.2 ; C53.1 74.7,32.92 v1(74.47,33.15) ; C54.1 42.77,22.29 v1(42.8,22.25) ; v1(49.66,39.45) 49.75,39.54 U3.107 ; 43.49,51.56 43.47,51.55 U20.25 ; C52.1 68.1,29.64 v1(67.69,30.05) ; v1(49.43,42.49) 49.35,42.42 C62.1 ; C1.1 60.15,34.85 v1(60.25,34.75) 60.45,34.55 C24.1 59.87,33.71 58.42,33.71 C42.1 ; 18.18,27.02 R30.1 18.47,28.07 C39.1 17.32,27.59 17.32,27.02 18.18,27.02
  Top w0.254: C1003.1 11.33,49.56 v1(10.95,49.94) ; C1008.2 17.9,42.2 v1(18.24,41.86) 18.52,42.14 C1010.2 ; v1(8.64,53.08) J1001.B8 ; v1(8.41,50.08) J1001.A8
  Top w0.305: C13.1 38.94,53.72 v1(38.69,53.97) 38.93,54.22 C50.1 ; C1.1 C38.1 58.37,35.23 C19.1 C17.1 ; J1001.S1 7.39,47.01 7.43,47.05 J1001.A12 8.38,48.13 8.38,48.13 ; J2.S1 40,56.52 J2.A12 ; 83.24,57.28 77.91,57.28 v1(76.89,56.26) ; v1(36.73,28.83) 36.75,28.8 C23.1 ; R46.2 69.39,24.15 v1(69.6,24.36) 69.87,24.64 R47.2 ; R89.2 38.91,52.12 38.63,51.84 v1(38.36,51.84) 37.9,51.84 37.74,51.68 Y1.4 ; R10.2 64.21,35.2 v1(64.21,34.62) ; J2.S1 47.49,56.52 J2.A1 ; X1.2 37.61,41.21 v1(38.84,39.98) ; Y1001.2 10.04,46.62 C1006.1 ; J1001.S1 7.43,55.08 J1001.A1 ; U8.1 74.54,17.84 74.45,17.93 73.2,17.93 ; C59.1 71.53,33.63 v1(71.17,33.99) 70.84,34.31 C58.1 ; v1(37.16,26.82) 37.16,26.82 C43.1 ; 8.48,54.53 J1001.A1 ; J1001.A1 8.06,54.53 ; C51.1 v1(78.44,30.07)
  Top w0.559: v1(73.08,8.38) J1.5 v1(73.08,4.83)
  Top w0.914: v1(73.08,8.38) J1.6 v1(73.08,1.27)
  vias: v1(2.8,42.75) v1(8.38,41.81) v1(8.64,14.91) v1(9.02,44.37) v1(9.17,19.63) v1(9.37,26.47) v1(10.32,44.12) v1(11.1,42.29) v1(11.71,55.55) v1(12.24,49.43) v1(14.01,46.76) v1(14.01,45.54) v1(14,21.16) v1(14.53,50.47) v1(14.77,46.33) v1(15.27,55.55) v1(15.53,47.07) v1(15.53,45.54) v1(15.67,23.49) v1(16,28.02) v1(16.49,44.09) v1(16.41,17.09) v1(17.81,49.25) v1(18.44,50.44) v1(18.77,55.55) v1(18.98,23.11) v1(19.05,53.06) v1(19.2,48.97) v1(19.41,28.73) v1(19.69,50.47) v1(20.17,52.1) v1(21.01,53.49) v1(21.21,49) v1(21.92,55.55) v1(22.73,54.41) v1(22.84,26.06) v1(23.34,55.55) v1(26.85,55.52) v1(28.17,13.79) v1(29.77,63.25) v1(29.77,60.2) v1(29.77,57.15) v1(34.8,44.07) v1(35.41,10.69) v1(35.56,49.38) v1(37.44,22.86) v1(39.68,21.74) v1(40.11,47.29) v1(42.72,52.17) v1(42.72,50.9) v1(42.83,58.04) v1(43.59,55.17) v1(44.25,52.17) v1(44.25,50.9) v1(44.63,6.32) v1(45.44,53.82) v1(45.77,55.37) v1(46.28,34.29) v1(46.28,31.75) v1(46.66,12.22) v1(47.12,18.62) v1(48.08,11.02) v1(48.82,34.29) v1(48.82,31.75) v1(49.46,21.39) v1(49.91,6.25) v1(50.62,55.3) v1(51.41,53.95) v1(51.77,8.81) v1(52.17,21.01) v1(53.32,8.84) v1(55.68,21.59) v1(55.73,6.15) v1(57.08,13.97) v1(57.18,56.97) v1(57.23,26.34) v1(58.4,8.94) v1(59.79,52.4) v1(59.87,47.5) v1(61.14,52.35) v1(61.22,47.45) v1(66.24,24.61) v1(68.05,43.69) v1(69.27,8.25) v1(70.16,45.24) v1(71.07,40.79) v1(71.68,28.19) v1(72.44,9.27) v1(72.95,29.46) v1(72.95,26.8) v1(73.41,16.94) v1(74.22,28.19) v1(76.86,19.23) v1(77.27,9.78) v1(78.16,16.26) v1(78.46,20.19) v1(78.54,28.55) v1(78.61,21.49) v1(80.57,14.48) v1(80.72,25.43) v1(80.7,12.45) v1(83.59,5.74)
/B1_IO_MSEL0_122: length 111.4
  Top w0.127: v1(42.7,32.11) 43.99,33.41 v1(43.99,38.86) 43.99,39.62 43.75,39.87 U3.122 43.75,39.97 ; R55.2 v1(78.79,58.29) R20.2
  Bottom w0.127: CY_J2.11 21.45,15.06 37.74,31.34 41.93,31.34 v1(42.7,32.11) ; v1(43.99,38.86) 43.99,39.5 37.26,46.23 37.26,57.98 38.11,58.83 78.26,58.83 v1(78.79,58.29)
/B1_IO_MSEL1_124: length 112.2
  Top w0.127: R56.2 v1(78.79,59.31) R18.2 ; v1(42.74,32.74) 43.64,33.64 43.64,38.33 v1(43.36,38.61) 42.95,39.02 U3.124
  Bottom w0.127: CY_J2.9 18.91,12.87 37.64,31.6 41.6,31.6 v1(42.74,32.74) ; v1(78.79,59.31) 78.56,59.08 38.01,59.08 36.88,57.96 36.88,45.08 v1(43.36,38.61)
/B1_IO_MSEL2_125: length 116.1
  Top w0.127: R15.2 v1(78.79,60.32) R57.2 ; v1(42.75,33.34) 43.28,33.87 43.28,38.05 v1(42.72,38.61) 42.55,38.78 U3.125
  Bottom w0.127: v1(42.75,33.34) 41.26,31.85 37.53,31.85 17.68,12 17.68,5.62 CY_J2.8 ; v1(42.72,38.61) 42.68,38.61 36.63,44.66 36.63,58.06 37.9,59.33 77.8,59.33 v1(78.79,60.32)
/B2_IO_CDONE_105: length 63.8
  Top w0.127: v1(43.34,32.16) 44.43,33.25 44.43,34.72 46.08,36.37 47.58,36.37 50.55,39.34 U3.105 ; CY_J2.6 15.18,2.97 24.56,2.97 25.25,3.66 25.25,7.47 27.35,9.57 R16.2 27.36,9.58 v1(27.36,10.13) R19.2
  Bottom w0.127: v1(43.34,32.16) 42.27,31.09 37.85,31.09 27.36,20.6 v1(27.36,10.13)
